# KiCad board Regulador.kicad_pcb (continued)
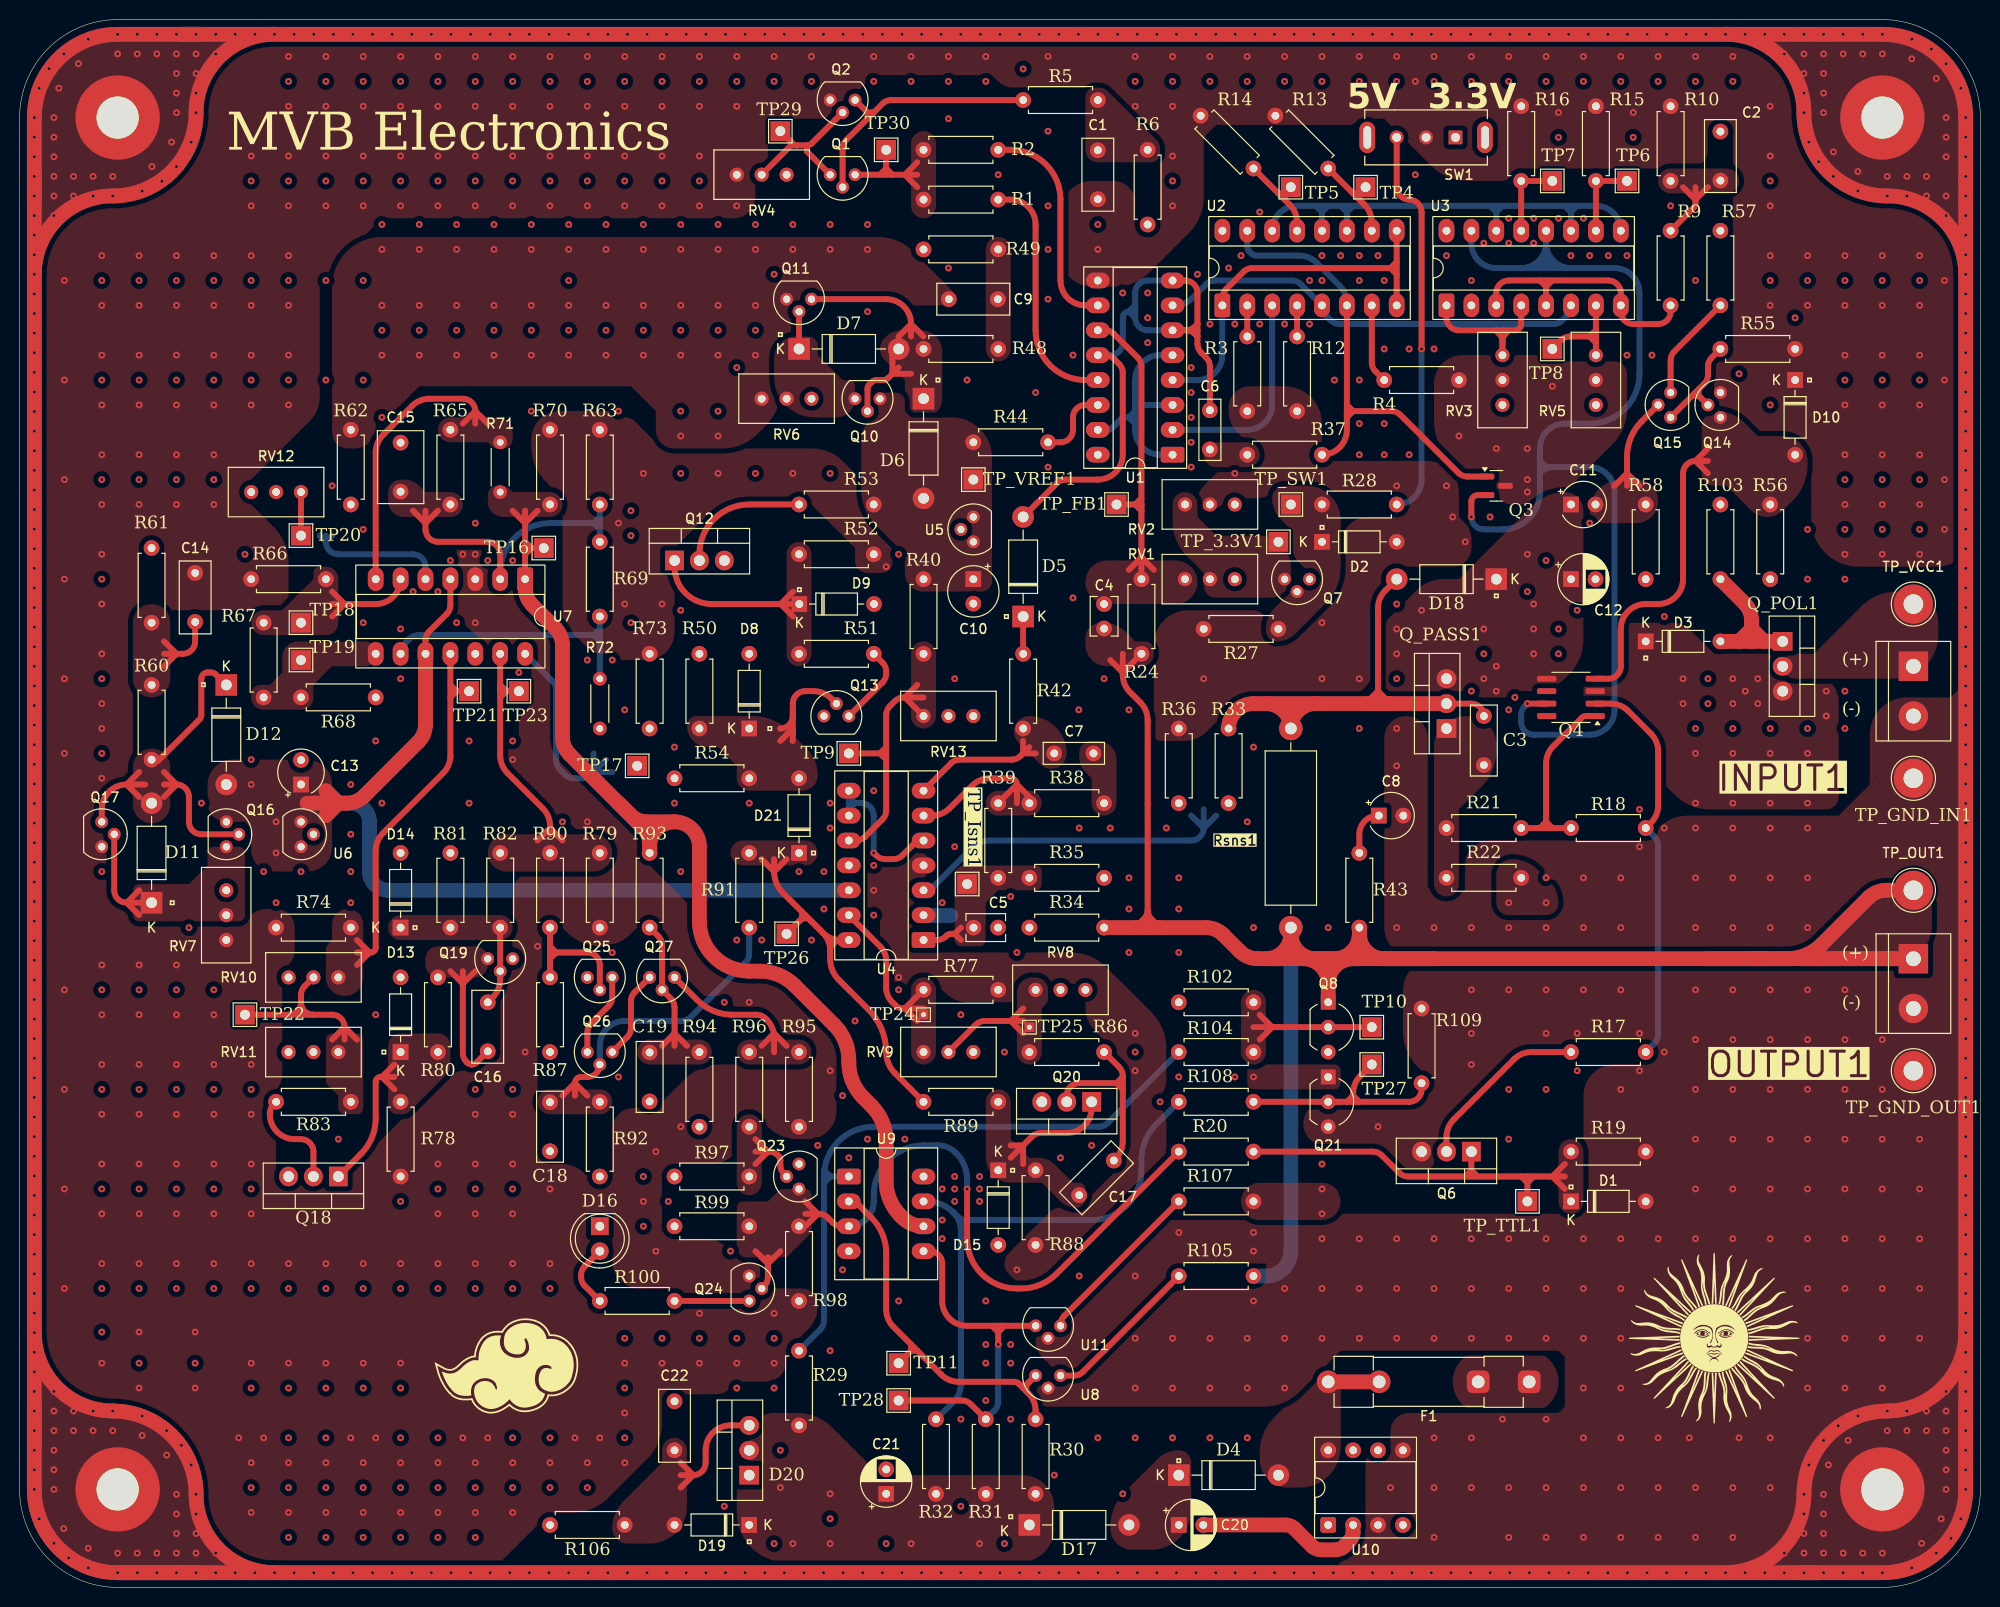
[diagram p0: board, top side]
## Routing (per net, layer and track width the routed paths; a pad name or vN(x,y) marks a point on that pad's centre or on a via; arc(x,y) is an arc through that point) (continued)
1: length 28.2
  Top w0.6: 54.1,77.5 54.1,76.86 ; 54.1,77.5 52.83,76.22 ; 54.1,77.5 54.1,77.71 arc(53.91,78.68) 53.36,79.51 49.76,83.1 arc(49.21,83.93) 49.02,84.9 49.02,90.83 ; 54.1,77.5 55.37,76.22 ; 49.66,91.47 49.02,92.1 ; 49.66,91.47 49.02,90.83 ; 49.66,91.47 TP23.1 ; 49.02,92.1 49.02,91.47 U7.13 ; 49.02,92.1 49.02,90.83
2: length 48.6
  Top w0.6: 83.31,66.02 82.86,65.57 arc(82.72,65.36) 82.68,65.12 82.68,65.01 ; U4.14 83.65,66.06 arc(83.17,65.97) 82.75,65.69 ; 80.77,67.97 81.31,67.43 ; 80.77,67.97 79.82,68.92 ; 80.77,67.97 81.93,66.81 ; 80.77,67.97 80.45,68.29 80.08,68.29 arc(79.84,68.24) 79.63,68.1 ; 81.31,67.43 82.68,66.06 ; 81.31,67.43 81.93,66.81 ; 76.96,73.05 78.23,74.32 ; 76.96,73.05 75.69,74.32 ; 76.96,73.05 76.96,74.32 ; 76.96,73.05 arc(77.19,71.88) 77.86,70.88 79.82,68.92 ; R89.2 89.28,52.48 arc(88.62,53.46) 88.39,54.62 arc(87.92,56.98) 86.59,58.98 83.55,62.01 arc(82.9,62.98) 82.68,64.13 82.68,65.01 ; 79.82,68.92 79.82,68.55 arc(79.77,68.31) 79.63,68.1 ; 79.63,68.1 TP26.1 79.5,67.97 ; 81.93,66.81 arc(82.48,65.98) 82.68,65.01 ; 81.93,66.81 arc(82.76,66.26) 83.73,66.06
FB: length 35.1
  Top w0.6: 114.43,104.8 114.43,103.21 ; 114.43,104.8 114.43,105.12 ; 114.43,104.8 114.43,109.88 ; 113.79,110.51 114.43,110.51 ; 113.79,110.51 TP_FB1.1 ; 113.79,110.51 114.43,109.88 ; 113.79,110.51 114.43,111.15 ; 114.43,110.51 114.43,124.59 arc(114.33,125.08) 114.05,125.49 111.62,127.92 arc(111.21,128.2) 110.72,128.3 ; 114.43,110.51 114.43,109.88 ; 114.43,105.12 115.69,103.85 ; 114.43,105.12 113.16,103.85
LDO2: length 115.7
  Top w0.6: 51.56,108.61 51.56,109.88 ; 51.56,108.61 50.29,109.88 ; 51.56,108.61 51.56,106.7 ; 51.56,108.61 52.83,109.88 ; 52.19,106.07 51.56,105.44 ; 52.19,106.07 TP16.1 ; 52.19,106.07 51.56,106.07 ; 52.19,106.07 51.56,106.7 ; 51.56,106.7 51.56,106.07 ; 51.56,106.07 U7.1
  Top w1.5: 63.62,78.16 62.96,78.16 61.09,80.03 ; 61.09,80.03 62.25,78.87 arc(63.07,78.32) 64.04,78.13 66.8,78.13 ; 61.09,80.03 63.52,77.6 arc(64.07,76.78) 64.26,75.81 R93.1 64.26,75.59 arc(65,77.39) 66.8,78.13 ; 61.09,80.03 56.11,85.01 arc(55.56,85.83) 55.37,86.8 55.37,96.13 arc(55.18,97.1) 54.63,97.92 52.3,100.25 arc(51.75,101.07) 51.56,102.04 U7.1 ; 66.8,78.13 arc(68.6,77.39) 69.34,75.59 69.34,67.97 arc(70.83,64.38) 74.42,62.89 75.49,62.89 arc(77.43,62.5) 79.08,61.4 83.09,57.39 arc(84.19,55.74) 84.58,53.8 84.58,53.56 arc(84.97,51.62) 86.07,49.97 86.9,49.14 arc(88,47.49) 88.39,45.55 88.39,41.47 arc(88.77,39.55) 89.85,37.93 90.03,37.75 arc(91.03,37.09) U9.6
OUT: length 238.3
  Top w0.6: 113.79,67.34 114.69,68.23 arc(114.96,68.65) 115.06,69.13 ; 112.52,95.28 112.52,93.15 arc(112.71,92.18) 113.26,91.36 114.32,90.3 arc(114.87,89.48) 115.06,88.51 115.06,69.13 ; 116.33,67.34 115.43,68.23 arc(115.16,68.65) 115.06,69.13 ; 111.25,94.64 112.52,93.37 113.79,94.64 ; 115.06,68.6 115.06,67.34
  Top w1.5: 133.48,64.16 132.21,64.16 arc(130.41,64.9) 129.67,66.7 ; 133.48,64.16 136.65,64.16 ; 133.48,64.16 Q8.1 ; 133.48,64.16 127.76,64.16 ; 190.37,64.16 191.26,64.16 182.79,64.16 ; 190.37,64.16 176.66,64.16 ; 190.37,64.16 193.42,64.16 ; 144.27,64.16 136.65,64.16 ; 144.27,64.16 172.21,64.16 ; 144.27,64.16 139.19,64.16 arc(137.39,64.9) 136.65,66.7 arc(135.91,64.9) 134.11,64.16 ; 136.65,64.16 R43.1 ; 129.67,66.7 Rsns1.2 129.67,64.79 129.03,64.16 127.76,64.16 ; 129.67,66.7 arc(128.92,64.9) 127.12,64.16 ; 172.21,64.16 180.27,64.16 arc(182.21,64.55) 183.86,65.65 188.61,70.4 arc(189.44,70.95) 190.41,71.15 TP_OUT1.1 ; 172.21,64.16 178.14,64.16 ; R34.1 120.99,67.34 arc(121.96,67.14) 122.79,66.59 124.48,64.9 arc(125.3,64.35) 126.27,64.16 127.76,64.16 ; 181.74,64.16 183.86,64.16 ; 130.94,64.16 arc(132.73,63.42) 133.48,61.62 arc(134.22,63.42) 136.01,64.16
  Bottom w1.5: Rsns1.2 129.67,34.31 arc(128.92,32.52) 127.12,31.78 R105.1
REF2: length 101.2
  Top w0.6: U7.10 41.4,96.65 arc(41.5,97.14) 41.77,97.55 43.57,99.35 arc(43.84,99.76) 43.94,100.25 U7.4
  Top w1.5: 32.51,80.03 29.34,80.03 ; 32.51,80.03 31.24,81.31 ; 32.51,80.03 33.36,80.03 arc(34.33,80.23) 35.16,80.78 40.66,86.28 arc(41.21,87.1) 41.4,88.07 U7.10 ; 32.51,80.03 31.24,78.76
  Bottom w1.5: U4.12 37.59,71.15 arc(36.24,71.7) 35.69,73.05 35.69,78.13 arc(35.13,79.48) 33.78,80.03 33.15,80.03 ; 33.15,80.03 29.97,80.03 ; 33.15,80.03 32.51,80.03 ; 32.51,80.03 31.24,78.76 ; 32.51,80.03 31.24,81.31
  vias: v1(23.62,81.94) v1(26.16,78.13) v1(26.16,74.95)
TL1: length 22.7
  Bottom w0.6: U7.14 54.36,92.47 arc(54.64,92.06) 54.74,91.57 54.74,84.37 arc(54.83,83.89) 55.11,83.47 55.63,82.95 arc(56.05,82.67) 56.53,82.57 57.38,82.57 arc(57.87,82.67) 58.28,82.95 58.55,83.21 ; 58.55,83.21 59.81,84.48 ; 58.55,83.21 60.45,83.21 ; 58.55,83.21 58.55,85.12
TTL: length 71.2
  Top w0.6: 76.32,32.41 76.32,33.68 76.32,33.04 ; 81.41,38.12 80.13,36.85 ; 81.41,38.12 80.13,38.12 ; 81.41,38.12 80.13,39.4 ; 81.41,38.12 81.51,38.12 arc(82,38.03) 82.41,37.75 82.94,37.23 arc(83.35,36.95) 83.84,36.85 ; R20.2 105.75,31.99 arc(104.1,30.89) 102.16,30.5 101.73,30.5 arc(98.13,31.99) 96.65,35.59 v1(96.65,40.66) ; 76.32,33.04 76.32,31.67 arc(76.23,31.18) 75.95,30.77 Q24.2 ; 76.32,33.04 77.6,34.31 ; 76.32,33.04 75.06,34.31
  Bottom w0.6: v1(96.65,40.66) 96.65,41.63 arc(96.35,43.08) 95.53,44.32 95.48,44.37 arc(94.66,44.92) 93.69,45.11 92.2,45.11 arc(88.61,43.62) 87.12,40.03 87.12,39.4 arc(86.38,37.6) U9.3
VCTRL:
  vias: v1(36.96,136.55) v1(36.96,130.83) v1(36.96,125.75) v1(40.76,136.55) v1(40.76,130.83) v1(40.76,125.75) v1(44.57,136.55) v1(44.57,130.83) v1(44.57,125.75) v1(48.38,136.55) v1(48.38,130.83) v1(48.38,125.75) v1(52.19,136.55) v1(52.19,130.83) v1(52.19,125.75) v1(56,136.55) v1(56,130.83) v1(56,125.75) v1(59.81,136.55) v1(59.81,130.83) v1(59.81,125.75) v1(63.62,136.55) v1(63.62,130.83) v1(63.62,125.75) v1(67.44,136.55) v1(67.44,130.83) v1(67.44,125.75) v1(67.44,117.5) v1(71.25,136.55) v1(71.25,130.83) v1(71.25,125.75) v1(71.25,117.5) v1(75.06,136.55) v1(75.06,130.83) v1(75.06,125.75) v1(78.87,136.55) v1(82.68,136.55) v1(86.49,136.55) v1(125.86,52.09) v1(132.84,40.66) v1(132.84,38.12) v1(140.46,97.81) v1(140.46,95.28) v1(143,99.72) v1(149.35,97.81) v1(149.35,92.73) v1(150.62,94) v1(150.62,91.47) v1(151.89,69.88) v1(153.8,105.44) v1(154.43,100.35) v1(154.43,97.81) v1(154.43,95.28) v1(155.7,69.88)
VDOBL:
  vias: v1(77.6,10.19) v1(78.87,4.47) v1(82.68,9.55) v1(82.68,4.47) v1(90.93,4.47) v1(97.92,4.47)
Net-(C2-Pad2): length 9.1
  Top w0.6: 170.94,141.63 170.94,141.26 arc(170.89,141.02) 170.75,140.81 R9.2 ; 170.94,141.63 170.94,142.9 ; 170.94,141.63 169.67,142.9 ; 170.94,141.63 172.21,142.9
Net-(C5-Pad2): length 5.2
  Top w0.6: 95.38,66.7 96.01,67.34 ; 95.38,66.7 96.01,66.06 ; 95.38,66.7 95,66.7 arc(94.76,66.65) 94.55,66.51 94.48,66.44 arc(94.06,66.16) 93.58,66.06 U4.1
Net-(C7-Pad1): length 15.1
  Top w0.6: 102.36,85.12 103.63,85.12 ; 102.36,85.12 103,85.75 ; 102.36,85.12 102.1,84.85 arc(101.68,84.58) 101.2,84.48 95.9,84.48 arc(95.42,84.38) 95,84.11 U4.7 ; 102.36,85.12 102.36,86.38
Net-(C8-Pad1): length 4.9
  Top w0.6: R43.2 136.65,76.86 arc(137.21,78.21) 138.56,78.76
Net-(C14-Pad2): length 9.5
  Top w0.6: 16,95.28 16.63,95.28 arc(17.53,95.65) 17.91,96.54 C14.2 ; 16,95.28 14.73,94 ; 16,95.28 14.73,96.54 ; 16,95.28 14.73,95.28
Net-(C15-Pad1): length 35.8
  Top w0.6: 40.13,109.88 41.4,108.61 42.67,109.88 ; U7.2 49.02,105.44 arc(48.65,106.33) 47.75,106.7 42.67,106.7 arc(41.77,107.08) 41.4,107.97 41.4,109.88
  Bottom w0.6: 59.18,107.97 R69.2 ; 59.18,107.97 58.55,108.61 ; 59.18,107.97 59.18,108.61 ; 58.55,108.61 54.1,108.61 arc(50.51,107.12) 49.02,103.53 ; 58.55,108.61 59.18,109.25 ; 58.55,108.61 59.18,108.61 ; 59.18,109.25 R63.1 ; 59.18,109.25 59.18,108.61
Net-(D1-K): length 44.3
  Top w0.6: 153.16,41.94 141.62,41.94 arc(141.14,42.03) 140.72,42.31 138.93,44.1 arc(138.51,44.38) 138.03,44.47 R20.1 ; 153.16,41.94 153.8,41.3 ; 153.16,41.94 153.8,41.94 ; 156.34,41.94 157.61,41.94 ; 156.34,41.94 154.43,41.94 ; 156.34,41.94 157.61,40.66 ; 156.34,41.94 157.61,43.2 ; 153.8,41.3 154.43,41.94 ; 153.8,41.3 TP_TTL1.1 ; 153.8,41.3 153.8,41.94 ; 154.43,41.94 153.8,41.94 ; 148.08,44.48 148.08,42.58 ; 148.08,42.58 147.44,41.94 ; 148.08,42.58 148.72,41.94
Net-(D3-A): length 18.1
  Top w1.5: 175.38,96.54 176.66,96.54 ; 175.38,96.54 D3.2 ; 175.38,96.54 176.66,97.81 ; 176.66,96.54 176.66,98.45 ; 176.66,96.54 177.93,96.54 ; 176.66,98.45 176.66,98.67 arc(176.46,99.64) 175.91,100.46 R103.1 ; 176.66,98.45 176.66,97.81 ; 176.66,97.81 177.93,96.54 ; 177.93,96.54 Q_POL1.1
Net-(D4-A): length 5
  Top w1.5: 133.38,20.98 138.38,20.98
Net-(D5-A): length 66.3
  Top w0.6: U1.8 118.87,133.38 arc(119.77,133) 120.14,132.1 120.14,128.93 ; 120.14,128.3 120.14,127.66 ; 120.14,128.3 120.14,128.93 ; 120.14,128.3 119.5,128.3 120.14,128.93 ; 120.14,127.66 120.14,126.92 arc(120.24,126.43) 120.51,126.02 121.04,125.49 arc(121.31,125.08) 121.41,124.59 C6.2 ; 120.14,127.66 119.88,127.92 arc(119.46,128.2) 118.98,128.3 ; U1.6 118.98,128.3 ; 118.98,128.3 arc(119.46,128.39) 119.88,128.67 ; D5.2 105.8,112.68 arc(106.21,112.96) 106.7,113.05 109.98,113.05 arc(111.78,113.8) 112.52,115.59 112.52,123.96 arc(112.42,124.44) 112.15,124.86 111.62,125.38 arc(111.21,125.66) 110.72,125.75
  Bottom w0.6: 113.79,130.2 113.79,130.83 ; 113.79,130.2 113.52,130.2 ; 113.79,130.2 113.79,129.56 ; 113.79,130.2 113.16,130.2 ; 113.79,130.83 113.16,130.2 ; 113.79,130.83 113.79,132.1 arc(114.16,133) 115.06,133.38 U1.8 ; 113.16,130.2 113.79,129.56 ; 113.16,130.2 arc(112.71,130.01) 112.52,129.56 112.52,127.02 arc(112.15,126.13) 111.25,125.75 U1.12 ; 113.79,129.56 arc(114.16,128.67) 115.06,128.3 U1.6
Net-(D5-K): length 3.8
  Top w0.6: R42.1 D5.1
Net-(D6-K): length 27.6
  Top w0.6: 89.03,123.85 88.58,123.4 arc(88.37,123.26) 88.13,123.22 87.38,123.22 arc(87.14,123.17) 86.93,123.03 86.67,122.77 arc(86.53,122.56) 86.49,122.32 Q10.2 ; 89.03,123.85 89.03,125.75 D7.2 ; 89.03,123.85 90.93,123.85 ; 89.03,123.85 89.66,124.48 ; Q11.1 88.39,131.47 arc(90.19,130.73) 90.93,128.93 ; 90.93,128.93 92.2,127.66 ; 90.93,128.93 90.93,127.66 ; 90.93,128.93 89.66,127.66
Net-(D7-K): length 3.8
  Top w0.6: Q11.2 D7.1
Net-(D9-K): length 18.5
  Top w0.6: 77.62,100.35 78.89,99.09 ; 77.62,100.35 D9.1 ; 77.62,100.35 78.89,101.62 ; 77.62,100.35 70.61,100.35 arc(67.92,101.47) 66.8,104.16
Net-(D10-A): length 34
  Top w0.6: 170.94,114.96 172.21,113.69 ; 170.94,114.96 172.21,116.23 ; 170.94,114.96 172.21,114.96 ; 170.94,114.96 arc(170.04,114.59) 169.67,113.69 169.67,102.9 arc(168.93,101.1) 167.13,100.35 165.86,100.35 arc(164.06,99.61) 163.32,97.81 163.32,94 arc(162.95,93.11) 162.05,92.73 Q4.4
Net-(D11-A): length 40.2
  Top w0.6: Q16.2 18.54,76.86 arc(17.64,77.23) 17.27,78.13 17.27,80.67 arc(16.9,81.57) 16,81.94 ; 10.92,81.94 12.82,81.94 ; 10.92,81.94 12.19,80.67 ; 10.92,81.94 12.19,83.21 ; 10.92,81.94 arc(9.12,81.2) 8.38,79.4 Q17.1 ; 16,81.94 14.73,80.67 ; 16,81.94 14.73,81.94 ; 16,81.94 14.73,83.21 ; D12.1 20,93.18 arc(19.79,93.32) 19.55,93.37 19.18,93.37 arc(18.73,93.18) 18.54,92.73 18.54,89.04 arc(18.49,88.8) 18.35,88.59 14.1,84.34 13.46,84.34
Net-(D11-K): length 13.8
  Top w0.6: D11.1 10.92,69.88 ; 10.92,69.88 12.19,71.15 ; 10.92,69.88 12.19,68.6 ; 10.92,69.88 arc(10.02,70.25) 9.65,71.15 Q17.2
Net-(D13-K): length 16.8
  Top w0.6: 36.96,52.09 36.82,52.09 arc(36.47,51.95) 36.32,51.59 36.32,47.85 arc(35.93,45.91) 34.83,44.26 Q18.1 ; 36.96,52.09 38.23,53.37 ; 36.96,52.09 38.23,52.09 ; 36.96,52.09 38.23,50.82
Net-(D14-K): length 8
  Top w0.6: R82.1 Q19.2 49.02,62.04 arc(48.83,61.07) 48.28,60.24 C16.2
Net-(D15-K): length 13.9
  Top w0.6: 102.36,45.11 101.09,43.84 ; 102.36,45.11 102.36,43.2 ; 102.36,45.11 101.09,45.11 ; 102.36,45.11 103.26,46.01 arc(103.67,46.28) 104.16,46.38 106.81,46.38 arc(108.6,47.12) 109.35,48.92
Net-(D16-A): length 6.5
  Top w0.6: R100.1 57.65,30.77 arc(57.37,31.18) 57.28,31.67 57.28,31.88 arc(57.37,32.37) 57.65,32.78 D16.2
Net-(D18-A): length 55.7
  Top w0.6: 138.56,91.47 139.82,90.19 ; 138.56,91.47 138.56,90.19 ; 138.56,91.47 137.29,90.19 ; 138.56,91.47 138.56,99.94 arc(138.75,100.91) 139.3,101.73 D18.2 ; Q_PASS1.2 148.08,90.19 arc(148.98,89.82) C3.1
  Top w1.5: 137.29,90.19 139.82,90.19 ; Q_PASS1.2 139.82,90.19 ; 139.82,90.19 132.21,90.19 ; 132.21,90.19 125.86,90.19 arc(124.06,89.45) R33.1 ; 132.21,90.19 arc(130.41,89.45) Rsns1.1 arc(128.92,89.45) 127.12,90.19
Net-(D19-A): length 14
  Top w0.6: 68.71,11.45 67.44,10.19 ; 68.71,11.45 67.44,12.72 ; 68.71,11.45 67.44,11.45 ; 68.71,11.45 arc(69.6,11.83) 69.98,12.72 69.98,14 arc(70.72,15.79) 72.51,16.53 D20.3
Net-(D21-A): length 14.5
  Top w0.6: 78.87,89.56 78.87,88.92 arc(78.49,88.03) 77.6,87.66 ; 78.87,89.56 78.87,87.02 ; 78.87,89.56 78.87,90.19 arc(79.24,91.09) 80.13,91.47 80.99,91.47 arc(81.96,91.27) 82.78,90.72 Q13.2 ; 78.87,87.02 78.87,86.38 ; 78.87,87.02 78.87,87.66 77.6,86.38
Net-(Q1-B): length 28.1
  Top w0.6: 86.49,150.52 86.8,150.2 ; 86.49,150.52 86.49,149.88 ; 86.49,150.52 Q2.1 ; 86.49,150.52 87.12,150.52 ; 86.8,150.2 86.49,149.88 ; 86.8,150.2 87.12,150.52 ; 86.49,149.88 84.32,147.72 arc(84.04,147.3) 83.94,146.82 Q1.2 ; R5.1 88.92,151.79 arc(88.43,151.69) 88.02,151.42 87.12,150.52
Net-(Q1-C): length 14.3
  Top w0.6: 88.39,144.81 89.03,144.17 ; 88.39,144.81 TP30.1 ; 88.39,144.81 87.75,144.17 ; 88.39,144.81 88.39,144.17 ; 89.03,144.17 Q1.1 ; 89.03,144.17 90.3,144.17 ; 90.3,144.17 91.56,145.44 ; 90.3,144.17 91.56,144.17 ; 90.3,144.17 91.56,142.9
Net-(Q1-E): length 17.1
  Top w0.6: 80.32,147.16 80.32,146.52 Q1.3 ; 80.32,147.16 79.31,147.16 ; 80.32,147.16 arc(80.56,147.21) 80.77,147.34 Q2.2 ; TP29.1 78.87,147.34 arc(79.07,147.21) 79.31,147.16 ; RV4.2 78.68,147.16 79.31,147.16
Net-(Q3-B): length 50.1
  Top w0.6: 135.38,120.67 135.38,120.04 ; 135.38,120.67 136.01,120.04 ; 135.38,120.67 U2.6 ; 135.38,120.04 135.38,118.13 arc(134.64,116.34) R37.2 ; 135.38,120.04 135.38,119.41 136.01,120.04 ; 136.01,120.04 139.93,120.04 arc(140.42,119.94) 140.83,119.67 146.76,113.74 arc(147.17,113.47) 147.66,113.37 149.68,113.37
  Bottom w0.6: U2.15 125.22,136.81 arc(125.27,136.57) 125.41,136.36 125.67,136.1 arc(125.88,135.96) 126.12,135.91 130.52,135.91 arc(131.49,135.72) 132.31,135.17 134.64,132.85 arc(135.19,132.02) 135.38,131.05
Net-(Q3-E): length 129.3
  Top w0.6: Q3.2 148.72,111.47 arc(148.27,111.28) 148.08,110.83 v1(148.08,109.25) ; Q4.7 v1(153.8,90.19)
  Bottom w0.6: 156.97,134.64 158.88,134.64 ; 156.97,134.64 156.34,134.64 ; 156.97,134.64 156.34,135.28 155.06,135.28 155.06,134.64 ; 158.88,134.64 162.69,134.64 arc(164.48,133.9) 165.23,132.1 165.23,123.85 arc(163.74,120.26) 160.15,118.77 157.61,118.77 arc(155.81,118.03) 155.06,116.23 155.06,114.96 ; 158.88,134.64 158.24,134.64 arc(156.44,135.39) 155.7,137.19 ; 156.23,114.33 160.15,114.33 arc(161.94,113.58) 162.69,111.78 162.69,89.56 arc(161.94,87.76) 160.15,87.02 154.43,87.02 arc(153.53,87.39) 153.16,88.29 153.16,89.03 arc(153.26,89.52) 153.53,89.93 v1(153.8,90.19) ; 156.23,114.33 155.06,114.33 ; 156.23,114.33 arc(155.74,114.23) 155.33,113.95 ; 156.23,114.33 arc(155.74,114.42) 155.33,114.7 155.06,114.96 ; 155.06,114.33 155.06,114.96 ; 155.06,114.33 155.06,111.57 ; 153.16,134.64 155.06,134.64 ; 153.16,134.64 150.62,134.64 arc(148.82,135.39) 148.08,137.19 U3.15 ; 153.16,134.64 arc(154.96,135.39) 155.7,137.19 ; 155.06,134.64 156.34,134.64 ; 155.62,136.55 155.62,134.73 155.7,134.64 155.7,135.91 155.7,135.28 156.34,134.64 ; 155.7,137.19 U3.12 ; 151.47,107.97 149.35,107.97 arc(148.45,108.35) v1(148.08,109.25) ; 151.25,107.97 arc(153.95,109.09) 155.06,111.78
Net-(Q4-Pad1): length 21.6
  Top w0.6: Q4.1 159.77,88.92 arc(159.53,88.88) 159.32,88.74 156.44,85.86 arc(155.89,85.03) 155.7,84.06 155.7,78.76 ; 155.7,78.76 155.7,77.5 ; 155.7,78.76 155.7,78.13 ; 155.7,78.13 155.06,77.5 ; 155.7,78.13 156.34,77.5 ; 155.06,77.5 155.7,77.5 ; 155.06,77.5 R21.2 ; 156.34,77.5 155.7,77.5 ; 156.34,77.5 R18.1
Net-(Q4-Pad2): length 40.9
  Top w0.6: R18.2 166.39,78.02 arc(166.94,78.85) 167.13,79.82 167.13,85.33 arc(166.94,86.3) 166.39,87.13 164.06,89.45 arc(163.24,90) 162.27,90.19 Q4.2
  Bottom w0.6: R18.2 166.76,76.6 arc(167.03,76.18) 167.13,75.7 167.13,56.43 arc(167.03,55.95) 166.76,55.53 R17.1
Net-(Q6-D): length 18.2
  Top w0.6: R17.2 154.21,54.63 arc(153.24,54.44) 152.42,53.89 146.28,47.76 arc(145.73,46.93) 145.54,45.96 Q6.2
Net-(Q8-G): length 16.3
  Top w0.6: 128.4,57.17 125.86,57.17 ; 128.4,57.17 TP10.1 ; 128.4,57.17 127.76,57.17 ; 127.76,57.17 126.49,55.91 ; 127.76,57.17 126.49,58.44
Net-(Q12-D): length 13.1
  Top w0.6: R53.2 74.42,110.51 arc(70.83,109.03) 69.34,105.44
Net-(Q13-D): length 8.3
  Top w0.6: Q13.3 88.02,92.36 arc(88.29,92.78) 88.39,93.26 88.39,93.48 arc(88.29,93.96) 88.02,94.38 R51.2
Net-(Q14-B): length 12.5
  Top w0.6: 171.57,121.31 170.94,121.94 ; 171.57,121.31 171.26,121.63 ; 171.57,121.31 Q14.2 ; 170.94,121.94 171.26,122.26 ; 170.94,121.94 170.62,121.63 ; 171.26,122.26 171.26,121.63 ; 171.26,122.26 171.84,122.84 arc(172.11,123.26) 172.21,123.74 172.21,124.59 arc(172.31,125.08) 172.58,125.49 R55.2 ; 170.62,121.63 171.26,121.63 ; 170.62,121.63 Q15.1
Net-(Q15-B): length 12.9
  Top w0.6: Q15.2 165.44,118.99 arc(164.34,117.34) 163.96,115.4 163.96,113.69 ; 163.96,113.69 163.96,112.42 ; 163.96,113.69 165.23,112.42 ; 163.96,113.69 162.69,112.42
Net-(Q15-E): length 10.9
  Top w0.6: R57.1 168.77,126.13 arc(168.5,125.71) 168.4,125.23 Q15.3
Net-(Q18-D): length 10.3
  Top w0.6: Q18.2 29.97,44.47 arc(29.6,45.37) 28.7,45.75 28.06,45.75 arc(26.27,46.49) 25.53,48.28 25.53,48.39 arc(25.62,48.88) 25.9,49.29
Net-(Q19-D): length 15.7
  Top w0.6: 45.21,61.62 46.48,62.89 ; 45.21,61.62 45.21,62.89 ; 45.21,61.62 45.21,54.53 arc(45.31,54.04) 45.58,53.63 45.66,53.55 arc(45.87,53.41) 46.11,53.37 46.14,53.37 arc(46.38,53.41) 46.59,53.55 C16.1 ; 45.21,61.62 43.94,62.89
Net-(Q20-D): length 20.2
  Top w0.6: 111.88,51.46 108.07,51.46 arc(107.18,51.09) 106.81,50.19 ; 111.88,51.46 112.52,50.82 ; 111.88,51.46 112.52,52.09 112.52,52.2 ; 111.88,51.46 112.52,51.46 ; 112.52,50.82 112.52,51.46 ; 112.52,50.82 112.52,45.53 arc(112.33,44.56) 111.78,43.73 ; 112.52,51.46 112.52,52.2 ; R86.2 112.15,53.1 arc(112.42,52.69) 112.52,52.2
Net-(Q21-G): length 25.4
  Top w0.6: 136.01,49.56 136.65,49.56 136.01,50.19 ; 135.38,49.56 141.73,49.56 arc(142.63,49.93) 143,50.82 R109.1 ; 135.38,49.56 136.01,50.19 ; 135.38,49.56 R108.2 ; 136.01,50.19 136.01,50.41 arc(136.21,51.38) 136.76,52.2 TP27.1 ; 134.11,49.56 134.75,49.56
Net-(Q23-B): length 8.4
  Top w0.6: 76.32,44.47 75.06,43.2 ; 76.32,44.47 76.43,44.47 arc(76.92,44.38) 77.33,44.1 77.41,44.03 arc(77.55,43.82) 77.6,43.58 77.6,43.1 arc(77.69,42.61) 77.97,42.2 Q23.2 ; 76.32,44.47 75.06,45.75 ; 76.32,44.47 75.06,44.47
Net-(Q24-E): length 7.6
  Top w0.6: R100.2 Q24.3
Net-(Q25-B): length 15.2
  Top w0.6: 54.1,64.79 54.1,64.16 ; 54.1,64.79 54.1,65.43 ; 54.1,64.79 54.74,64.79 ; 54.1,64.16 54.74,64.79 ; 54.1,64.16 R87.2 ; R90.2 54.1,65.43 ; 54.1,65.43 54.74,64.79 ; 54.74,64.79 57.91,64.79 arc(58.81,64.42) 59.18,63.53 Q25.2
Net-(Q25-C): length 8.6
  Top w0.6: Q26.3 57.91,56.65 arc(58.01,57.13) 58.28,57.55 60.08,59.34 arc(60.35,59.76) 60.45,60.24 Q25.1
Net-(Q26-B): length 32.8
  Top w0.6: 56.64,51.46 55.37,50.19 ; 56.64,51.46 57.91,50.19 ; 56.64,51.46 56.64,50.19 ; 56.64,51.46 arc(56.83,51.91) 57.28,52.09 57.91,52.09 arc(58.81,52.47) Q26.2
  Bottom w0.6: R91.2 74.42,64.69 arc(74.32,64.2) 74.05,63.79 68.44,58.18 arc(68.03,57.91) 67.54,57.81 61.72,57.81 arc(59.92,57.07) 59.18,55.27 Q26.2
Net-(Q26-C): length 9.1
  Top w0.6: Q27.3 62.73,60.72 arc(62.45,60.31) 62.36,59.82 62.36,57.07 arc(62.26,56.58) 61.98,56.17 Q26.1
Net-(Q27-B): length 16.6
  Top w0.6: 66.8,56.54 65.53,55.27 ; 66.8,56.54 66.8,59.19 arc(66.7,59.67) 66.43,60.09 Q27.2 65.53,65.54 arc(65.43,66.02) 65.16,66.44 R93.2 ; 66.8,56.54 66.8,55.27 ; 66.8,56.54 68.07,55.27
Net-(Q27-C): length 18
  Top w0.6: 75.69,55.27 76.96,56.54 78.23,55.27 ; 76.97,54.63 76.96,54.65 76.96,56.12 arc(76.77,57.09) 76.22,57.92 76.06,58.07 arc(75.65,58.35) 75.16,58.44 72.71,58.44 arc(70.77,58.83) 69.12,59.93 Q27.1
Net-(R83-Pad1): length 24.7
  Top w0.6: 33.15,57.17 31.88,55.91 ; 33.15,57.17 34.42,55.91 ; 33.15,57.17 33.15,55.91 ; 33.15,57.17 arc(32.77,58.07) 31.88,58.44 29.97,58.44 ; 28.7,58.44 29.97,58.44 ; 28.7,58.44 28.7,60.35 ; 28.7,58.44 TP22.1 ; 29.97,58.44 arc(29.07,58.82) 28.7,59.72 ; RV10.2 29.07,61.36 arc(28.8,60.94) 28.7,60.46 28.7,60.35 ; 28.7,60.35 28.7,59.72 ; 28.7,59.72 arc(28.33,58.82) 27.43,58.44
Net-(R86-Pad1): length 12.5
  Top w0.6: 101.09,57.81 102.36,59.08 ; 101.09,57.81 102.36,56.54 ; 101.09,57.81 102.36,57.81 ; 101.09,57.81 98.44,57.81 arc(97.96,57.71) 97.54,57.44 RV9.2
Net-(R104-Pad1): length 65.3
  Bottom w0.6: 82.68,41.94 82.04,41.94 ; 82.68,41.94 82.04,41.3 ; 82.68,41.94 82.08,42.53 ; 82.68,41.94 U9.1 ; 82.04,41.94 82.04,41.3 ; 82.04,41.94 arc(83.53,45.53) 87.12,47.01 110.09,47.01 arc(110.57,47.11) 110.99,47.39 R104.1 ; R29.2 81.67,26.32 arc(81.94,26.74) 82.04,27.22 82.04,41.3
Net-(R108-Pad1): length 59.3
  Bottom w0.6: 95.22,38.28 95.64,37.86 arc(96.05,37.59) 96.54,37.49 ; 95.22,38.28 95.27,38.23 arc(95.82,37.41) 96.01,36.44 ; 95.22,38.28 arc(93.98,39.1) 92.53,39.4 ; R32.2 95.27,18.97 arc(95.82,19.79) 96.01,20.76 96.01,36.4 arc(96.11,36.89) 96.38,37.3 96.57,37.49 97.92,37.49 ; 95.98,36.85 96.24,37.12 arc(96.65,37.39) 97.14,37.49 97.92,37.49 ; 97.92,37.49 109.35,37.49 arc(112.94,38.98) 114.43,42.57 114.43,43.64 arc(114.81,45.58) 115.91,47.23 R108.1